# Altium PCB PCB1.PcbDoc (part 1 of 5) (continued)
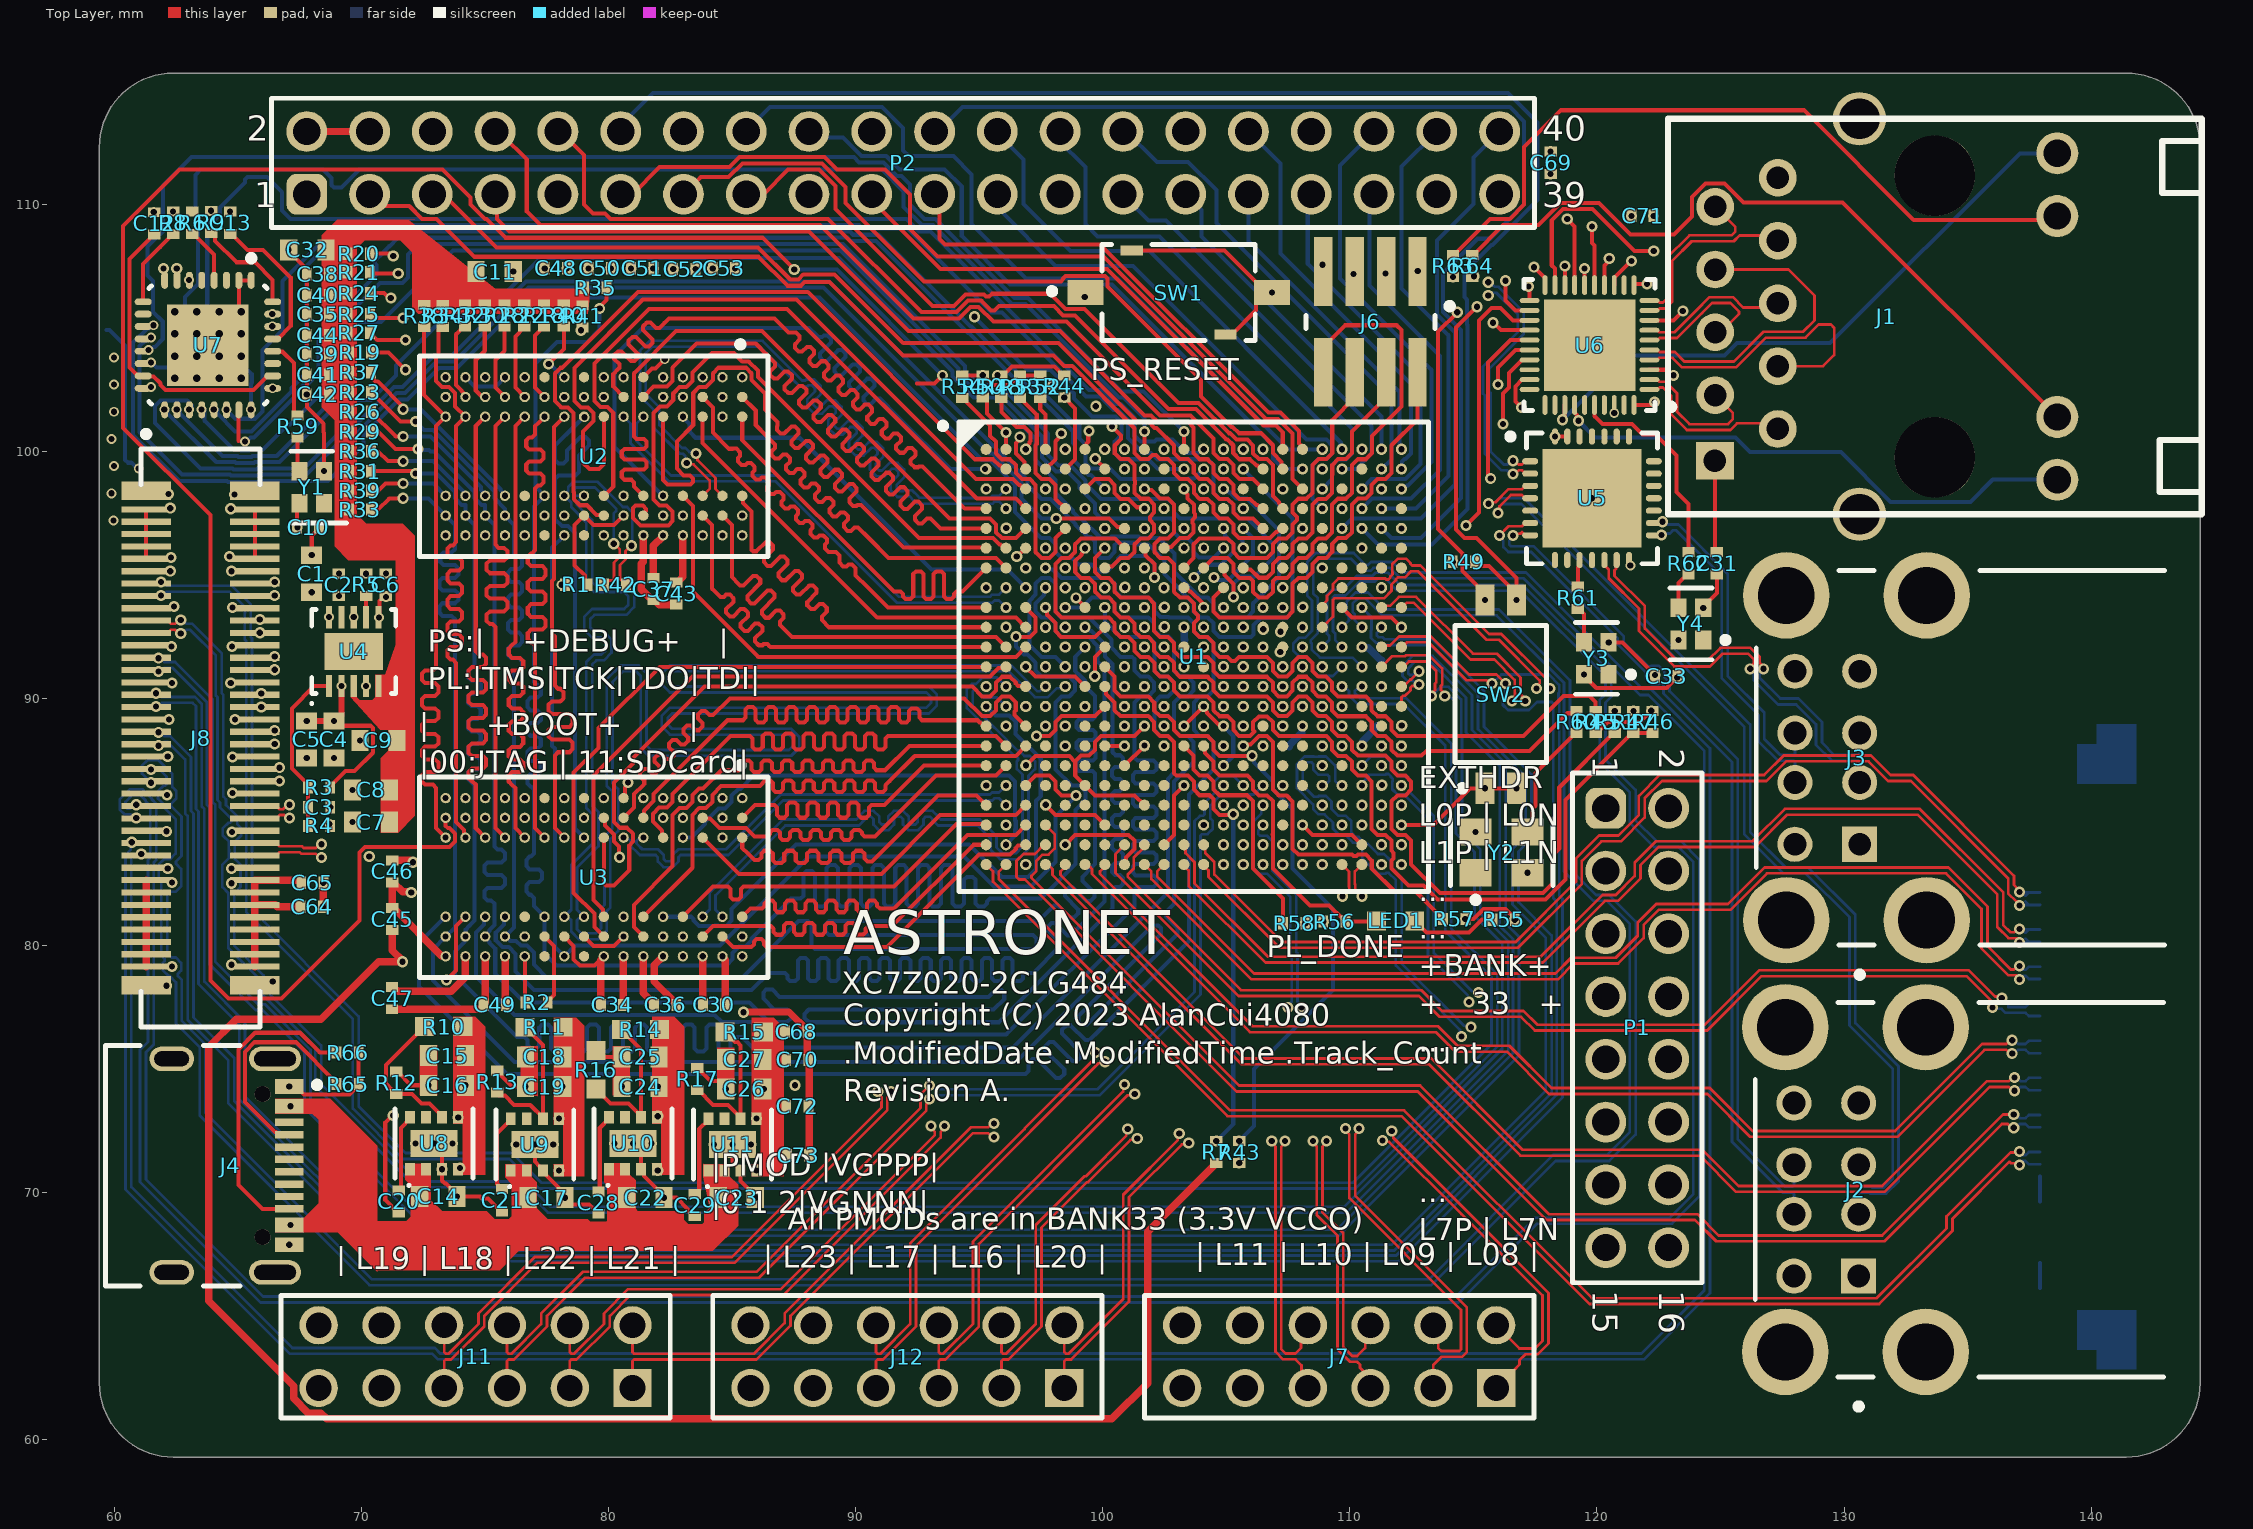
[diagram p0: Top Layer view]
## Footprints (in the part's own frame and the unit in brackets; to place one, negate y for a bottom-side part, rotate by r counter-clockwise, add the part's x,y. Pads: shape width x height; smd on the part's side, far side on the other; paste and mask are expansions set on the pad) (continued)
  oval 0.65x0.25 smd: 1(-2.5,1.5) 2(-2.5,1) 3(-2.5,0.5) 4(-2.5,0) 5(-2.5,-0.5) 6(-2.5,-1) 7(-2.5,-1.5) 15(2.5,-1.5) 16(2.5,-1) 17(2.5,-0.5) 18(2.5,0) 19(2.5,0.5) 20(2.5,1) 21(2.5,1.5)
  oval 0.25x0.65 smd: 8(-1.5,-2.5) 9(-1,-2.5) 10(-0.5,-2.5) 11(0,-2.5) 12(0.5,-2.5) 13(1,-2.5) 14(1.5,-2.5) 22(1.5,2.5) 23(1,2.5) 24(0.5,2.5) 25(0,2.5) 26(-0.5,2.5) 27(-1,2.5) 28(-1.5,2.5)
  rect 4x4 smd: 29(0,0)
  silkscreen extent -3.42,-2.65 2.65,2.65, body extent -2.51,-2.51 2.51,2.51, height 0.8
R0402 [mm]
  rect 0.4x0.5 smd: 1(-0.45,0) 2(0.45,0)
  body extent -0.5,-0.25 0.5,0.25, height 0.3
R0603 [mil] "1/10W贴片电阻"
  rect 30x30 smd: 1(-30.59,0) 2(30.59,0)
  body extent -31,-16 32,16, height 16
RJ45-TH_HR911130A [mil]
  round 66.93 hole 43.31: 11(260,272.62) 12(160,272.62) 13(-160,272.62) 14(-260,272.62)
  rect 60x60 hole 35.83: P1(229.63,-272.62)
  round 60 hole 35.83: P2(179.1,-172.38) P3(125.2,-272.38) P4(79.1,-172.38) P5(25.2,-272.38) P6(-20.9,-172.38) P7(-74.8,-272.38) P8(-120.9,-172.38) P9(-174.8,-272.38) P10(-220.9,-172.38)
  round 85 hole 65: SHIELD0(-315,-42.48) SHIELD1(315,-42.48)
  round 127.95 hole 127.95 unplated: ""(-224.4,77.62) ""(224.4,77.62)
  silkscreen extent -315,-347 315,503
SIL0008D_V [mm] "PSON, 8-Leads, Body 3.00x2.80mm, Pitch 0.65mm, Thermal Pad 1.90x1.1mm"
  rect 0.5x0.4 smd: 1(-1.05,0.975) 2(-1.05,0.325) 3(-1.05,-0.325) 4(-1.05,-0.975) 5(1.05,-0.975) 6(1.05,-0.325) 7(1.05,0.325) 8(1.05,0.975)
  rect 1.1x1.9 smd: 9(0,0)
  silkscreen extent -1.75,-1.58 1.4,1.58, body extent -1.4,-1.5 1.4,1.5, height 1.53
SMTC-SSW-106-01-X-D [mm] "SQ Post Socket, 2x6 Pins, Vertical, 2.54mm Pitch, Female"
  rect 1.55x1.55 hole 1.04: 1(0,0)
  round 1.55 hole 1.04: 2(0,-2.54) 3(2.54,0) 4(2.54,-2.54) 5(5.08,0) 6(5.08,-2.54) 7(7.62,0) 8(7.62,-2.54) 9(10.16,0) 10(10.16,-2.54) 11(12.7,0) 12(12.7,-2.54)
  silkscreen extent -1.53,-3.74 14.23,1.2, body extent -1.52,-3.75 14.22,1.21, height 8.51
SON50P300X100_HS-11N [mm] "SON, 10-Leads, Body 3.00x3.00mm, Pitch 0.50mm, Thermal Pad 2.35x1.49mm, IPC Medium Density"
  rect 0.9x0.25 smd: 1(-1.395,1) 2(-1.395,0.5) 3(-1.395,0) 4(-1.395,-0.5) 5(-1.395,-1) 6(1.395,-1) 7(1.395,-0.5) 8(1.395,0) 9(1.395,0.5) 10(1.395,1)
  rect 1.49x2.35 smd: 11(0,0)
  silkscreen extent -2.15,-1.7 1.7,1.75, body extent -1.6,-1.55 1.6,1.55, height 1

## Part data
C1 C2 C3 C4 C5 C6 C7 C8 C9 C10 C11 C12 C13 C14 C15 C16 C17 C18 C19 C20 C21 C22 C23 C24 C25 C26 C27 C28 C29 C30 C31 C32 C33 C34 C35 C36 C37 C38 C39 C40 C41 C42 C43 C44 C45 C46 C47 C48 C49 C50 C51 C52 C53 C54 C55 C56 C57 C58 C59 C60 C61 C62 C63 C64 C65 C66 C67 C68 C69 C70 C71 C72 C73: library part C
J1: "100/1000Base-T Magnetics Single Port RJ45 Connector with Intergarted Magnetics and LED"
J2 J3: library part CMP-00257-00314314-1, "67298-4090 Conn USB 2.0 Type A RCP 8 POS 2mm/2.5mm Solder RA Thru-Hole 8 Terminal 2 Port USB Tray", Current Rating=1.5A, Flammability Rating="UL94 V-0", Housing Color=White, Max Operating Temperature=50°C, Max Voltage Rating (DC)=30V, Min Operating Temperature=0°C, Connector Type="Receptacle, USB", Contact Material="Bronze, Gold, Nickel", Contact Plating=Gold, Gender=Receptacle, Height=16.12mm, Housing Material=Polyester, Lead Free="Lead Free", Lead Pitch=2.5mm, Length=15.6mm, Mount="Through Hole", NexarPartId=314314, Number of Circuits=8, Number of Contacts=8, Number of Ports=2, Number of Positions=8, Number of Rows=2, Number of Terminals=8, Orientation="Right Angle", Radiation Hardening=No, REACH SVHC=Unknown, RoHS=Compliant, Schedule B="8536695050, 8536695050", Termination=Solder, USB Standard="USB 2.0", Voltage Rating=30V, Voltage Rating (DC)=30V
J4: library part CMP-245163-000001-1, "CONN RCPT USB2.0 TYPEC 5A", Current Rating=5/6.25/1.25/0.25A, Manufacturer=GCT, Package=0, Temperature="-40°C to +85°C", Temperature Range High=+85°C, Temperature Range Low=-40°C, Voltage Rating=20V, Automotive=No, Category=Conn, ComponentLink2Description=Datasheet, ComponentLink2URL=https://gct.co/files/drawings/usb4105.pdf, Conn Orientation="Right Angle", Contact Material=Gold,Nickel, Device Class L1=Connectors, Device Class L2="USB Connectors", Device Class L3=unset, Digikey Description="CONN RCPT USB2.0 TYPEC 5A", Height=3.46mm, Is Female=yes, Lead Free=Yes, Manufacturer Part Number=USB4105-GF-A, Number of Contacts=16, Octopart=https://octopart.com/usb4105-gf-a-gct-106627878, RoHS=TRUE, USB Standard="USB 2.0"
J5: library part CMP-1241-00531-1, "0.5 mm Pitch Easy-On(TM) Type FPC Connector, 2.0 mm Mated Height, Right Angle, ZIF, SMT, Bottom Contact, 40 Circuits, -20 to 85 degC, ELV and RoHS Compliant, Tape and Reel", Current (Max per Contact)=0.5A, Manufacturer=Molex, Voltage (Max)=50V, Circuits (Loaded)=40, ComponentLink1Description="Manufacturer URL", ComponentLink1URL=http://www.molex.com/molex/index.jsp, ComponentLink2Description=Datasheet, ComponentLink2URL=http://www.molex.com/webdocs/datasheets/pdf/en-us/0541324062_FFC_FPC_CONNECTORS.pdf, ComponentLink3Description="Package Specification", ComponentLink3URL=http://www.molex.com/pdm_docs/sd/541324062_sd.pdf, Contact Position=Bottom, Durability (mating cycles max)=20, Entry Angle="90degrees Angle", Mated Height=2.00mm, Material - Metal="Phosphor Bronze", Material - Plating Mating=Gold, Material - Plating Termination=Gold, Mounting Technology="Surface Mount", Number of Rows=1, Orientation="Right Angle", PackageDescription="40-Lead FPC Connector, Pitch 0.5 mm", PackageReference=54132-4062, PackageVersion="Rev. F, 07/2010", Packing="Tape and Reel", PartNumber=54132-4062, PCB Locator=No, PCB Retention=Yes, Pitch - Mating Interface=0.50mm, Polarized to PCB=Yes, RoHS=TRUE, Stackable=No
J6: library part CMP-02766-001469-1, "CONN HEADER SMD 8POS 1.27MM", Housing Color=Black, Max Operating Temperature=125°C, Min Operating Temperature=-55°C, Contact Material=Bronze, Contact Plating=Gold, Depth=3.43mm, Gender=Male, Housing Material=Polymer, Lead Free="Lead Free", Length=5.08mm, Number of Contacts=8, Number of Rows=2, Orientation=Straight, Packaging=Rail/Tube, Pitch=1.27mm, Radiation Hardening=No, RoHS Compliant=Yes, Termination=Solder
J7 J11 J12: library part CMP-1023-00356-1, "SQ Post Socket, Through-hole, Vertical, -55 to 105 degC, 2.54mm Pitch, 12-Pin, Female, RoHS", Manufacturer=Samtec, Temperature Range="-55 to 105 degC", ComponentLink1Description="Manufacturer URL", ComponentLink1URL=http://www.samtec.com, ComponentLink2Description=Datasheet, ComponentLink2URL=http://www.samtec.com/documents/webfiles/pdf/SSW_TH.PDF, ComponentLink3Description="Package Specification", ComponentLink3URL=http://www.samtec.com/documents/webfiles/cpdf/SSW-1XX-XX-XXX-X-XX-XXX-XX-MKT.pdf, DatasheetVersion=F-214, Mounting Technology=Through-hole, Orientation=Vertical, PackageDescription="Assembly, Socket Strip .016 X .031 Tail", PackageReference=SSW-106-01-X-D, PackageVersion="CA, 6/1987", PartNumber=SSW-106-01-T-D, Pitch="2.54 mm", RoHS=True
J8: library part CMP-05580-000001-1, "CONN SOCKET BRD/BRD .5MM 80POS", Ambient Temperature Range High=+85°C, Ambient Temperature Range Low=-55°C, Current Rating=0.5A, Manufacturer=Panasonic, Voltage Rating=60V, Automotive=No, Category=Conn, ComponentLink2Description=Datasheet, ComponentLink2URL=https://www3.panasonic.biz/ac/e_download/control/connector/base-base/catalog/con_eng_p5k.pdf, Conn Gender=Female, Conn Orientation=Vertical, Contact Material=Gold,Nickel, Device Class L1=Connectors, Device Class L2="Headers and Wire Housings", Device Class L3=unset, Digikey Description="CONN SOCKET BRD/BRD .5MM 80POS", Height=3.25mm, Is Female=yes, Lead Free=Yes, Manufacturer Part Number=AXK5S80047YG, Mouser Description="Board to Board & Mezzanine Connectors CONN SOCKET BRD/BRD 80 POS 0.5mm", Number of Contacts=80, Number of Rows=2, Octopart=https://octopart.com/axk5s80047yg-panasonic-7879921, Package=AXK5S80047YG, Pitch=0.5mm, RoHS=TRUE
P1: library part CMP-1502-01097-2
P2: library part CMP-1502-01135-2
R1 R2 R3 R4 R5 R6 R7 R8 R9 R10 R11 R12 R13 R14 R15 R16 R17 R18 R19 R20 R21 R22 R23 R24 R25 R26 R27 R28 R29 R30 R31 R32 R33 R34 R35 R36 R37 R38 R39 R40 R41 R42 R43 R44 R45 R46 R47 R48 R49 R50 R51 R52 R53 R54 R55 R56 R57 R58 R59 R60 R61 R62 R63 R64 R65 R66: library part R
SD1: library part CMP-2000-05825-1, "Micro SD Card, RA, -25 to 85 degC, 8-Pin SMD, RoHS, Tape and Reel", Current Rating=500mA, Manufacturer=Molex, Package Description="8-Pin Surface Mount Device, Body 11.95 x 11.4 mm, Pitch 1.1 mm", Voltage Rating=10VAC/DC, Brand=Molex, Card Type=microSD, Contact Material=PhosphorBronze, Contact Plating=Gold, Datasheet URL=http://www.molex.com/pdm_docs/sd/1040310811_sd.pdf, Datasheet Version="Rev. E, 04/2006", Height=1.42mm, Housing Material=LiquidCrystalPolymer(LCP), Insertion - Extraction Style=Push-Pull, Length=11.4mm, Manufacturer URL=http://www.molex.com/, Mating Cycles=10000, Mounting Technology=SurfaceMount, Mounting Type=Standard, Number of Contacts=8, Number of Rows=1Row, Orientation=RightAngle, Package Reference=104031-0811, Packaging=Reel, Pitch=1.1mm, Product=CardConnectors, Product Category=MemoryCardConnectors, RoHS=True, Series=104031, Termination Style=SMD
SW1: library part CMP-10040-000025-1, "TACT 6.0 X 3.5, 2.5 MM H, 250GF,"
SW2: library part CMP-2000-05530-1, "Half Pitch DIP Switch Auto Placeable, 25 mA, 24 V, -55 to 85 degC, 4-Pin SMD, RoHS, Tube", Current Rating=25mA, Manufacturer="CTS Corporation", Operating Temperature=-55°C~85°C, Package Description="4-Pin Surface Mount Device, Body 5.8 x 3.71 mm, Pitch 1.27 mm", Standard Package=145, Voltage Rating=24VDC, 3D Model=218Series2Pole.stp, Actuator Level=Flush,Recessed, Actuator Type=Slide(Standard), Body Material=-, Catalog Drawings=218-2218SeriesFootprint218SeriesEnd, Category=Switches, Circuit=SPST, Contact Finish=Gold, Contact Material=BerylliumCopper, Datasheet URL=http://www.ctscorp.com/wp-content/uploads/2015/11/218.pdf, Datasheet Version=12/2008, Electrical Life=1,000Cycles, Family=DIPSwitches, Features=EpoxySealedTerminals,TapeSeal, Height Above Board="0.104\"(2.65mm)", Length="0.146\"(3.71mm)", Manufacturer URL=http://www.ctscorp.com/, Mechanical Life=-, Mounting Technology=SurfaceMount, Mounting Type=SurfaceMount, Number of Positions=2, Online Catalog=218Series, Other Names=2182LPSTCT2182LPST, Package Reference=218-2LPST, Packaging=Tube, Pitch="0.050\"(1.27mm),Half", Product Training Modules=DIPSwitch, Series=218, Termination Style=GullWing, Washable=Yes
U1: library part CMP-0363-00013-3, "733 MHz Zynq™-7000 AP SoC, 130 PS I/O, 200 FPGA I/O, 484-Ball BGA, Speed Grade 2, Industrial Grade, Pb-Free", Generic Part Number=XC7Z020, Code_JEDEC=MO-275-PPAA-2, ComponentLink1Description=Datasheet, ComponentLink1URL=http://www.xilinx.com/support/documentation/data_sheets/ds190-Zynq-7000-Overview.pdf, ComponentLink2Description="Package Specification", ComponentLink2URL=http://www.xilinx.com/support/documentation/user_guides/ug865-Zynq-7000-Pkg-Pinout.pdf, ComponentLink3Description="DC and AC Switching Characteristics", ComponentLink3URL=http://www.xilinx.com/support/documentation/data_sheets/ds187-XC7Z010-XC7Z020-Data-Sheet.pdf, ComponentLink4Description="Package File", ComponentLink4URL=http://www.xilinx.com/support/packagefiles/z7packages/xc7z020clg484pkg.txt, ComponentLink5Description="Packaging and Pinout", ComponentLink5URL=http://www.xilinx.com/support/documentation/user_guides/ug865-Zynq-7000-Pkg-Pinout.pdf, ComponentLink6Description="PCB and Layout Guide", ComponentLink6URL=http://www.xilinx.com/support/documentation/user_guides/ug483_7Series_PCB.pdf, DatasheetVersion=v1.2, Extensible Block RAM (# 36Kb Blocks)="560 KB (140)", Flip Flops=106400, LUTs=53200, Mounting Technology="Surface Mount", PackageDescription="Wire-Bond Chip-Scale BGA, Body 19 x 19 mm, 0.8 mm Pitch", PackageReference=CLG484, PackageVersion="Rev 1.1, 09/2012", PartNumber=XC7Z020-2CLG484I, RoHS=Pb-Free, Speed Grade=-2
U2 U3: library part CMP-2000-07474-2, "IC DRAM 4GBIT PARALLEL 96FBGA"
U4: "Sink and Source DDR Termination Regulator"
U5: JLCPCB Part Class="Extended Part", Manufacturer=WCH(南京沁恒), Add into BOM=yes, Convert to PCB=yes, Datasheet=https://atta.szlcsc.com/upload/public/pdf/source/20220607/DC93EAF28D88731A801F418A8003FCFE.pdf, Device=CH334H, LCSC Part Name=CH334H, Manufacturer Part=CH334H, Name=CH334H, Supplier=LCSC, Supplier Footprint=QFN-28(5x5), Supplier Part=C3034270, Symbol=CH334H
U6: "INTEGRATED 10/100/1000M ETHERNET  / PRECISION TRANSCEIVER"
U7: library part CMP-0186-00339-1, "Hi-Speed USB Host, Device or OTG PHY with ULPI Low Pin Interface, 5 pF, -40 to 85 degC, 32-Pin QFN (QFN-3304), RoHS, Tape and Reel", Generic Part Number=USB3300, Temperature Max="85 degC", Temperature Min="-40 degC", CI="5 pF", Code_JEDEC=MO-220, ComponentLink1Description="Manufacturer URL", ComponentLink1URL=http://www.microchip.com/, ComponentLink2Description=Datasheet, ComponentLink2URL=http://ww1.microchip.com/downloads/en/DeviceDoc/00001783B.pdf, ComponentLink3Description="Package Specification", ComponentLink3URL=http://ww1.microchip.com/downloads/en/DeviceDoc/8710a.pdf, DatasheetVersion=DS00001783B, Mounting Technology="Surface Mount", PackageDescription="32-Pin Quad Flat Non-Leaded Package, Body 5 x 5 mm, Pitch 0.5 mm", PackageVersion="Rev. H, 07/2004", Packing="Tape and Reel", PartNumber=USB3300-EZK-TR, RoHS=TRUE
U8 U9 U10 U11: library part CMP-2000-07569-1, "Step-Down Converter MicroSiP(TM) Module with Integrated Inductor, 3 A, 3 to 17 V, -40 to 125 degC, 8-Pin uSiP (SIL), Tape and Reel", Case/Package=SMD/SMT, Manufacturer="Texas Instruments", Max Input Voltage=17V, Max Operating Temperature=125degC, Max Output Current=3A, Max Output Voltage=5V, Min Input Voltage=3V, Min Operating Temperature=-40degC, Min Output Voltage=900mV, Package Description="8-Pin Single In-line Package, Body 3 x 2.8 mm, Pitch 0.65 mm", Package Reference=SIL0008D, Quiescent Current=20uA, Switching Frequency=2MHz, Datasheet URL=http://www.ti.com/lit/ds/symlink/tps82130.pdf, Datasheet Version="Rev. C, 01/2017", Height=0.06inch, Lead Free=LeadFree, Length=0.12inch, Manufacturer URL=http://www.ti.com/, Mount=SurfaceMount, Mounting Technology=SurfaceMount, Number of Outputs=1, Number of Pins=8, Output Current=3A, Output Voltage=5V, Packaging=CutTape, REACH SVHC=NoSVHC, RoHSCompliant=True, Voltage - Output 1=5V, Width=0.11inch
Y1 Y3 Y4: library part CMP-27762-001496-1, "Crystal Oscillator 12.288MHz ±50ppm HCMOS 3.3V SMD 2x1.6mm", Case/Package=SMD/SMT, Frequency=12.288MHz, Frequency Stability=50ppm, Load Capacitance=15pF, Max Operating Temperature=85°C, Max Supply Current=5mA, Max Supply Voltage=3.66V, Min Operating Temperature=-40°C, Min Supply Voltage=2.97V, Operating Supply Voltage=3.3V, Package Quantity=3000, Height=0.031inch, Length=0.079inch, Mount="Surface Mount", Packaging="Tape and Reel", Series=ASA, Termination=SMD/SMT, Width=0.063inch
Y2: library part CMP-27762-010648-1, "XTAL Oscillator 33.333MHz ±50ppm CMOS 3.3V 4-SMD 3.2mm x 2.5mm", Case/Package=SMD/SMT, Frequency=33.333MHz, Frequency Stability=50ppm, Load Capacitance=15pF, Max Operating Temperature=85°C, Max Supply Current=13mA, Max Supply Voltage=3.465V, Min Operating Temperature=-40°C, Min Supply Voltage=3.135V, Operating Frequency="33.333 MHz", Operating Supply Voltage=3.3V, Package Quantity=1000, Depth=2.5mm, Height=0.047inch, Lead Free="Lead Free", Length=3.2mm, Mount="Surface Mount", Number of Pins=4, Packaging="Tape and Reel", Radiation Hardening=No, REACH SVHC="No SVHC", Series=ASE, Termination=SMD/SMT, Width=0.098inch

## Via types
v1: diameter 0.45, hole 0.25, Top Layer to Bottom Layer, tented both sides, 575 vias
v2: diameter 0.4, hole 0.25, Top Layer to Bottom Layer, tented both sides, 212 vias
v3: diameter 0.5, hole 0.3, Top Layer to Bottom Layer, tented both sides, 16 vias

## Nets (pads, with @x,y where several pads share a name; then routed paths per layer and width w, separated by ;. In a path a pad name is that pad's centre, name@x,y a point inside that pad or via, vN(x,y) a via of type N, cw(c..) or ccw(c..) an arc to the next point about the centre after c; other vN are vias at no path point)
+1V0: C26.2 C27.2 C54.2 C55.2 C56.2 C57.2 C58.2 C59.2 C66.2 C67.2 C68.2 C69.2 C70.2 C71.2 C72.2 C73.2 R15.1 U1.G8 U1.H9 U1.H11 U1.J8 U1.J10 U1.J12 U1.J14 U1.K13 U1.L8 U1.L14 U1.M13 U1.N8 U1.N14 U1.P13 U1.R8 U1.R14 U6.3 U6.8 U6.21 U6.38 U11.4 U11.5 | length 46.5
  Top Layer w0.164: U1.H11@103.288,94.481 103.365,94.481 103.515,94.332 103.558,94.332 104.033,93.856 104.033,93.736 v1(104.088,93.681) ; v1(117.225,106.675) 117.275,106.625 U6.21@117.275,106.1 ; U6.3@122.125,103.3 122.798,103.3 123.023,103.075 v1(123.1,103.075) ; U6.8@122.125,105.3 123.1,105.3 v1(123.475,105.675)
  SIG_PWR w0.3: v1(104.888,92.881) v1(105.688,93.681) 107.753,95.746 109.172,95.746 109.302,95.616 111.481,95.616 117.604,101.74 120.483,101.74 120.673,101.55 v2(120.7,101.55) ; v1(118.125,111.225) 118.125,109.791 116.986,108.652 116.986,107.258 117.196,107.048 117.196,106.704 v1(117.225,106.675) 120.7,103.2 v2(120.7,101.55) ; v1(121.395,109.525) 122.175,108.746 122.725,108.746 123.475,107.995 v1(123.475,105.675) 123.475,105.634 123.1,105.259 v1(123.1,103.075) 122.225,103.075 v2(120.7,101.55)
  other v1: 86,70.9 86,73 86.3,74.2 100.888,88.881 105.688,88.881 104.888,89.681 100.888,90.481 105.688,90.481 104.888,91.281 100.888,92.081 105.688,92.081 100.888,93.681 102.5,93.7 101.688,94.481 100.888,95.281
+1V8: C18.2 C19.2 C60.2 C61.2 C62.2 C63.2 C64.2 C65.2 J8.63 J8.64 J8.65 J8.66 J8.67 J8.68 J8.69 J8.70 J8.71 J8.72 J8.73 J8.74 J8.75 J8.76 J8.77 J8.78 R11.1 U1.AA10 U1.AB3 U1.G9 U1.H10 U1.K9 U1.K11 U1.K17 U1.L10 U1.L20 U1.M9 U1.N10 U1.N16 U1.P9 U1.P11 U1.P19 U1.R10 U1.R22 U1.T5 U1.T9 U1.T15 U1.U8 U1.V11 U1.W4 U1.Y7 U9.4 U9.5 | length 19
  Top Layer w0.164: v1(97.7,85.7) 97.7,85.669 98.088,85.281 99.688,85.281 U1.Y7@100.088,84.881 ; U1.U8@100.888,87.281 U1.T9@101.688,88.081 101.7,88.093 v1(101.7,88.1) ; U1.AA10@102.488,84.081 102.888,84.481 102.888,86.081 v1(103.288,86.481)
  Top Layer w0.3: J8.77@61.3,79.15 J8.75@61.3,79.65 J8.73@61.3,80.15 J8.71@61.3,80.65 J8.69@61.3,81.15 J8.67@61.3,81.65 J8.65@61.3,82.15 J8.63@61.3,82.65 ; J8.78@65.7,79.15 J8.76@65.7,79.65 J8.74@65.7,80.15 J8.72@65.7,80.65 J8.70@65.7,81.15 J8.68@65.7,81.65 ; C64.2@67.55,81.575 66.6,81.575 66.525,81.65 J8.68@65.7,81.65 ; C65.2@67.575,82.55 67.575,82.6 67.525,82.65 J8.64@65.7,82.65 J8.66@65.7,82.15 J8.68@65.7,81.65
  Bottom Layer w0.3: v1(103.288,92.881) 103.307,92.863 103.307,92.393 C63.2@103.325,92.375 ; v1(110.488,92.081) 110.517,92.053 110.747,92.053 111.25,91.55 C61.2@111.3,91.55
  other v1: 78,70.9 78,73 78.15,74.3 62.35,79.15 64.75,79.225 64.75,82.525 62.35,82.55 96.888,83.281 98.488,88.081 106.488,88.081 102.488,88.881 112.1,88.9 101.688,89.681 103.288,89.681 109.688,89.681 102.488,90.481 107.288,90.481 101.688,91.281 102.488,92.081 101.688,92.881 108.088,92.881 102.488,94.481 101.688,95.281
+3V3: C1.2 C2.2 C10.1 C15.2 C16.2 C33.1 J7.11 J7.12 J8.3 J8.4 J8.5 J8.6 J8.7 J8.8 J8.9 J8.10 J8.11 J8.12 J11.11 J11.12 J12.11 J12.12 P2.1 P2.17 R5.2 R8.2 R10.1 R44.1 R45.1 R46.1 R48.2 R49.2 R55.1 R57.1 R58.1 R63.2 SD1.4 U1.A10 U1.A20 U1.AA20 U1.AB13 U1.B3 U1.B13 U1.C6 U1.C16 U1.D9 U1.D19 U1.E12 U1.E22 U1.F15 U1.G18 U1.H21 U1.R12 U1.T7 U1.T8 U1.T10 U1.T13 U1.U18 U1.V21 U1.W14 U1.Y17 U4.10 U5.14 U5.27 U5.28 U6.11 U6.29 U6.40 U7.6 U7.16 U7.25 U7.30 U7.31 U8.4 U8.5 Y1.4 Y2.4 Y3.4 Y4.4 | length 29.2
  Top Layer w0.164: J8.11@61.3,95.65 J8.9@61.3,96.15 J8.7@61.3,96.65 J8.5@61.3,97.15 J8.3@61.3,97.65 ; J8.12@65.7,95.65 J8.10@65.7,96.15 J8.8@65.7,96.65 J8.6@65.7,97.15 J8.4@65.7,97.65 ; v2(67.425,96.925) 67.4,96.95 67.4,97.802 Y1.4@67.5,97.902 ; v1(95.75,103.075) 95.969,103.075 96.327,103.432 98.043,103.432 98.4,103.075 R44.1@98.45,103.075 ; v1(96.65,100.575) 96.65,100.498 96.491,100.339 96.491,99.917 96.833,99.575 96.833,99.336 U1.B3@96.888,99.281 ; U1.C6@99.288,98.481 99.685,98.878 100.252,98.878 100.488,98.643 100.488,98.32 100.73,98.078 101.052,98.078 101.395,97.736 101.633,97.736 v1(101.688,97.681) ; U1.T7@100.088,88.081 v1(100.888,88.081) ; v1(108.088,84.881) 108.488,84.481 110.088,84.481 U1.AA20@110.488,84.081 ; v1(114.675,81.075) 115.009,81.075 115.406,81.472 116.303,81.472 116.675,81.1 v1(116.675,81.05) ; v1(116.95,101.775) 116.703,102.022 116.703,102.628 116.975,102.9 U6.29@117.275,102.9 ; v1(118.3,100.6) U5.27@118.8,100.6 ; v1(119.475,90.971) 119.475,90.921 119.972,90.424 122.824,90.424 v1(123.25,90.85) C33.1@123.25,90.9 ; R45.1@119.95,88.597 120,88.597 120.452,89.048 121.748,89.048 v1(122.2,89.5) R46.1@122.25,89.5 ; U6.40@121.5,101.875 122.2,101.875 v1(122.325,102) ; U6.11@121.5,106.725 121.5,106.758 121.517,106.775 v1(122.025,106.775)
  other v1: 74,71 73.925,73.05 74.225,74.35 108.2,80.9 104.888,83.281 115.092,84.601 105.688,85.681 111.3,86.5 108.888,87.281 102.488,88.081 104.888,88.081 104.088,88.881 123.3,92.366 111.288,94.481 108.888,95.281 114.167,95.525 62.3,95.7 64.675,95.75 106.488,96.081 104.088,96.881 112.088,96.881 64.725,97.675 62.275,97.7 109.688,97.681 107.288,98.481 104.888,99.281 102.488,100.081 110.488,100.081 114.175,107.05
  other v2: 68.7,93.29 69.1,94.15 68,94.3 70.2,95.05 121.35,95.375 60,101.6 66.42,102.55 61.5,102.6 66.405,105.059 66.405,105.559 63.035,106.929 62.384,109.709
BTB_34_L1_N: J8.18 U1.K15 | length 183.5
  Layer 4 w0.11: v1(66.5,94.17) 66.417,94.17 66.266,94.322 64.923,94.322 64.026,93.424 64.026,93.097 63.237,92.309 63.237,84.374 62.357,83.494 62.022,83.494 60.537,82.009 60.537,70.863 65.265,66.135 108.441,66.135 109.757,64.819 109.757,64.422 110.567,63.611 110.965,63.611 112.243,62.333 112.243,61.936 112.999,61.18 116.72,61.18 117.8,60.1 135.3,60.1 138,62.8 138,96.4 135.442,98.958 135.442,100.488 134.23,101.7 132.7,101.7 130.762,99.762 126.997,99.762 123.006,95.771 115.469,95.771 115.345,95.895 113.638,95.895 113.396,95.653 111.318,95.653 110.919,95.254 109.363,95.254 109.258,95.149 109.258,95.128 109.041,94.911 108.735,94.911 108.612,95.034 107.317,95.034 106.906,94.622 106.906,93.558 106.516,93.168 106.516,92.816 v1(106.5,92.8)
BTB_34_L1_P: J8.16 U1.J15 | length 184.5
  Layer 4 w0.11: v1(66.5,94.71) 66.417,94.71 66.266,94.559 64.825,94.559 63.789,93.522 63.789,93.195 63,92.407 63,84.472 62.259,83.731 61.924,83.731 60.3,82.107 60.3,70.765 65.167,65.898 108.343,65.898 109.52,64.721 109.52,64.324 110.469,63.374 110.867,63.374 112.006,62.235 112.006,61.838 112.901,60.943 116.622,60.943 117.702,59.863 135.398,59.863 138.237,62.702 138.237,96.498 135.679,99.057 135.679,100.586 134.328,101.937 132.602,101.937 130.663,99.999 126.899,99.999 122.908,96.008 115.567,96.008 115.443,96.132 113.54,96.132 113.298,95.89 111.22,95.89 110.821,95.491 109.202,95.491 109.041,95.651 108.735,95.651 108.354,95.271 107.219,95.271 106.669,94.721 106.669,93.916 106.488,93.735 v1(106.488,93.681)
BTB_34_L2_N: J8.24 U1.J17 | length 165.9
  Layer 4 w0.11: v1(65.9,92.66) 65.817,92.66 65.666,92.811 64.963,92.811 63.837,91.685 63.837,82.937 61.29,80.39 61.29,71.31 64.859,67.741 66.209,67.741 66.611,68.142 66.811,68.142 66.937,68.269 67.243,68.269 67.459,68.053 67.459,67.747 67.448,67.736 67.448,67.645 67.829,67.263 69.919,67.263 70.382,66.8 111.335,66.8 111.997,66.138 111.997,64.722 113.462,63.257 116.853,63.257 119.51,60.6 122.4,60.6 122.768,60.968 128.968,60.968 130.5,62.5 130.5,64.297 135.235,69.032 135.235,81.815 135.181,81.869 135.181,91.328 135.235,91.383 135.235,94.955 131.512,98.678 127.113,98.678 123.228,94.793 116.274,94.793 116.215,94.851 111.135,94.851 111.1,94.817 110.482,94.817 110.14,94.474 108.323,94.474 107.812,93.964 107.812,93.873 107.877,93.808 107.9,93.808 108.008,93.7 v1(108.1,93.7)
BTB_34_L2_P: J8.22 U1.J16 | length 167.4
  Layer 4 w0.11: v1(65.9,93.2) 65.817,93.2 65.666,93.048 64.865,93.048 63.6,91.783 63.6,83.035 61.053,80.488 61.053,71.212 64.761,67.504 66.307,67.504 66.59,67.787 66.681,67.787 66.937,67.531 67.226,67.531 67.731,67.026 69.821,67.026 70.284,66.563 111.237,66.563 111.76,66.04 111.76,64.624 113.364,63.02 116.755,63.02 119.412,60.363 122.498,60.363 122.866,60.731 129.066,60.731 130.737,62.402 130.737,64.199 135.472,68.934 135.472,81.913 135.418,81.968 135.418,91.23 135.472,91.285 135.472,95.053 131.61,98.915 127.015,98.915 123.13,95.03 116.372,95.03 116.313,95.088 111.037,95.088 111.002,95.054 110.384,95.054 110.042,94.711 108.225,94.711 107.575,94.062 107.575,93.854 107.511,93.79 107.488,93.79 107.38,93.681 v1(107.288,93.681)